# Altium PCB CanRotor_Mini(PCB).PcbDoc
Units mm, origin at the board's own origin, x right, y up, seen from the top; angles counter-clockwise.
Board outline 50 x 50.03 mm, 2 copper layers (Top Layer, Bottom Layer), stack 0.325 mm thick; 85 components, 55 nets, 323 pads, 228 vias.
Unrouted connection lines stored in the file: 2.
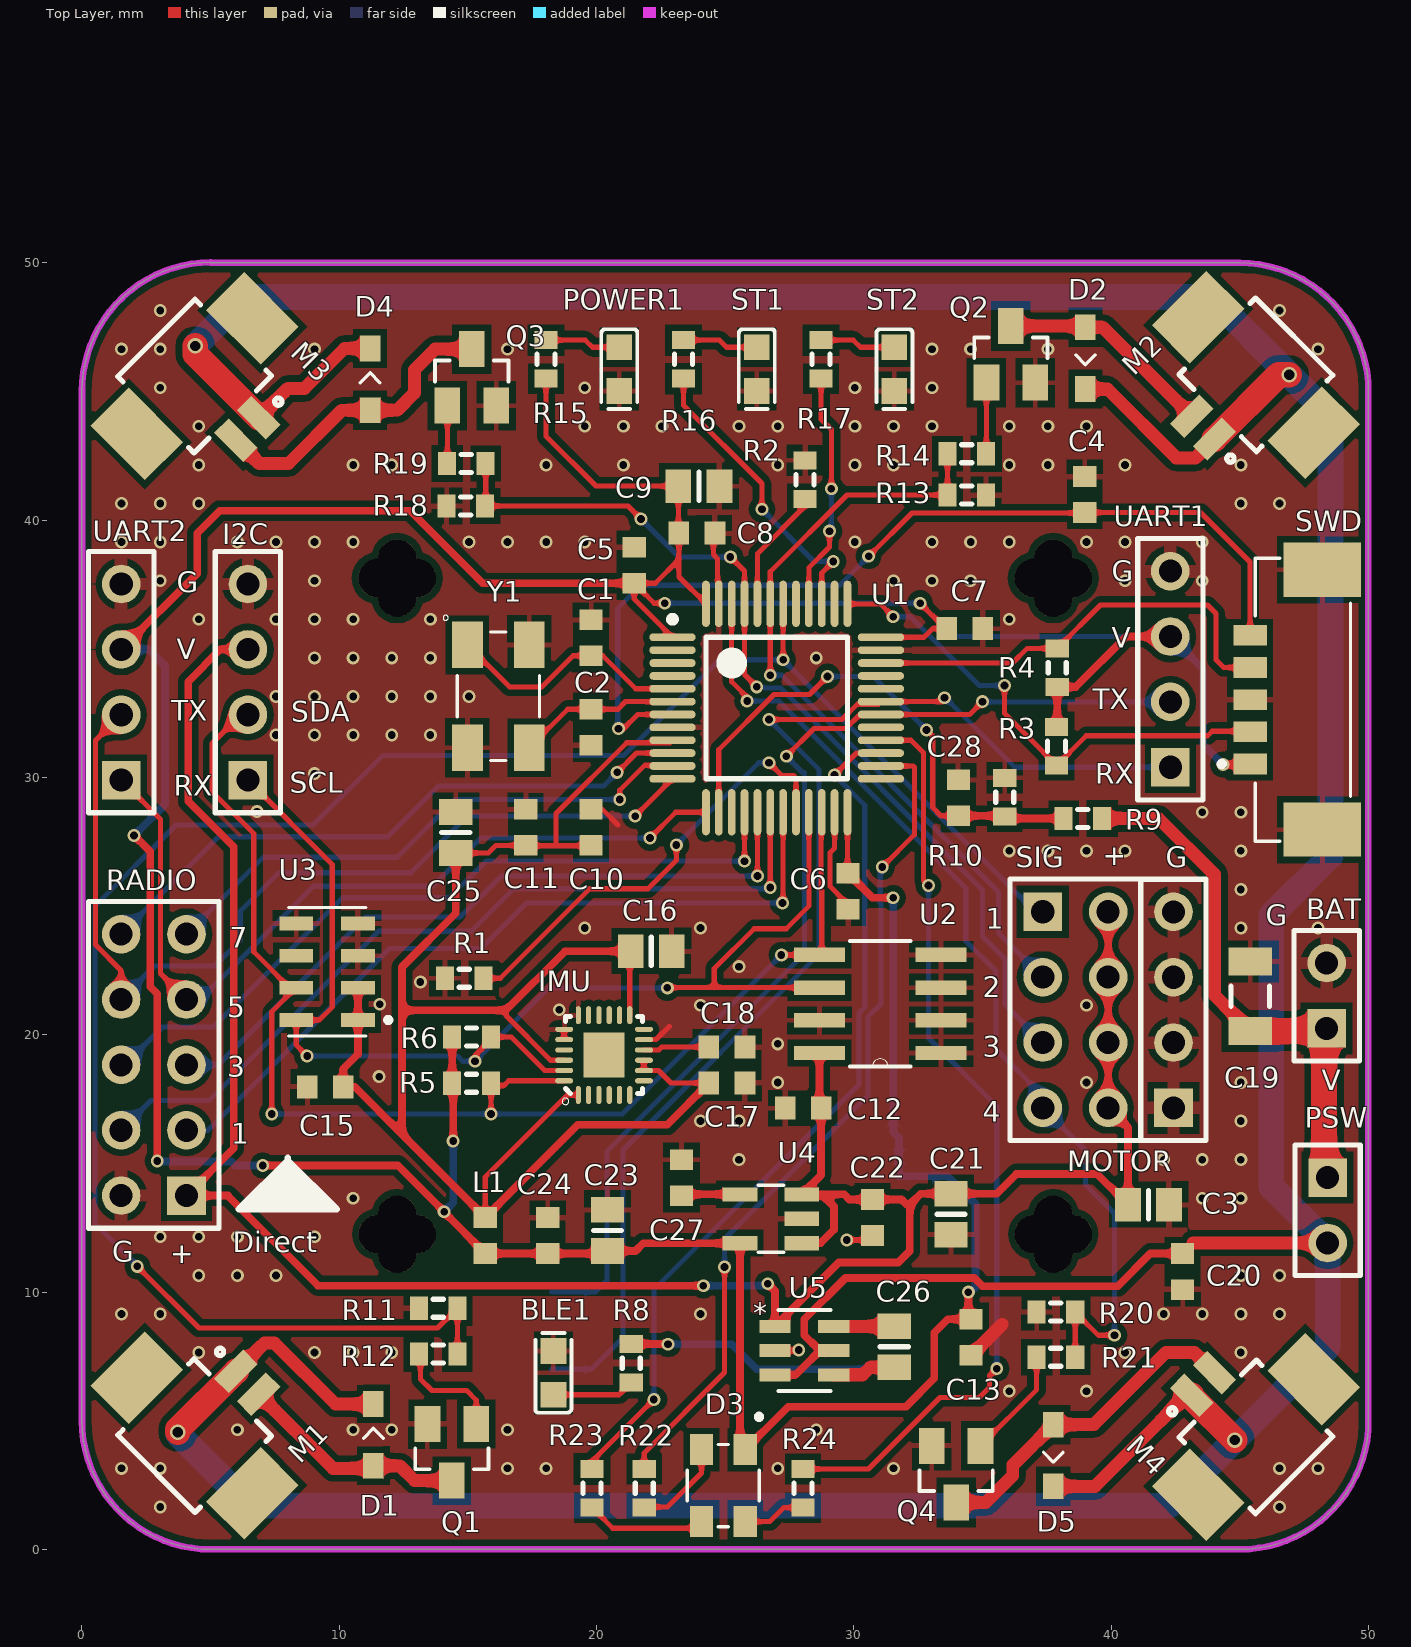
[diagram p0: Top Layer view]
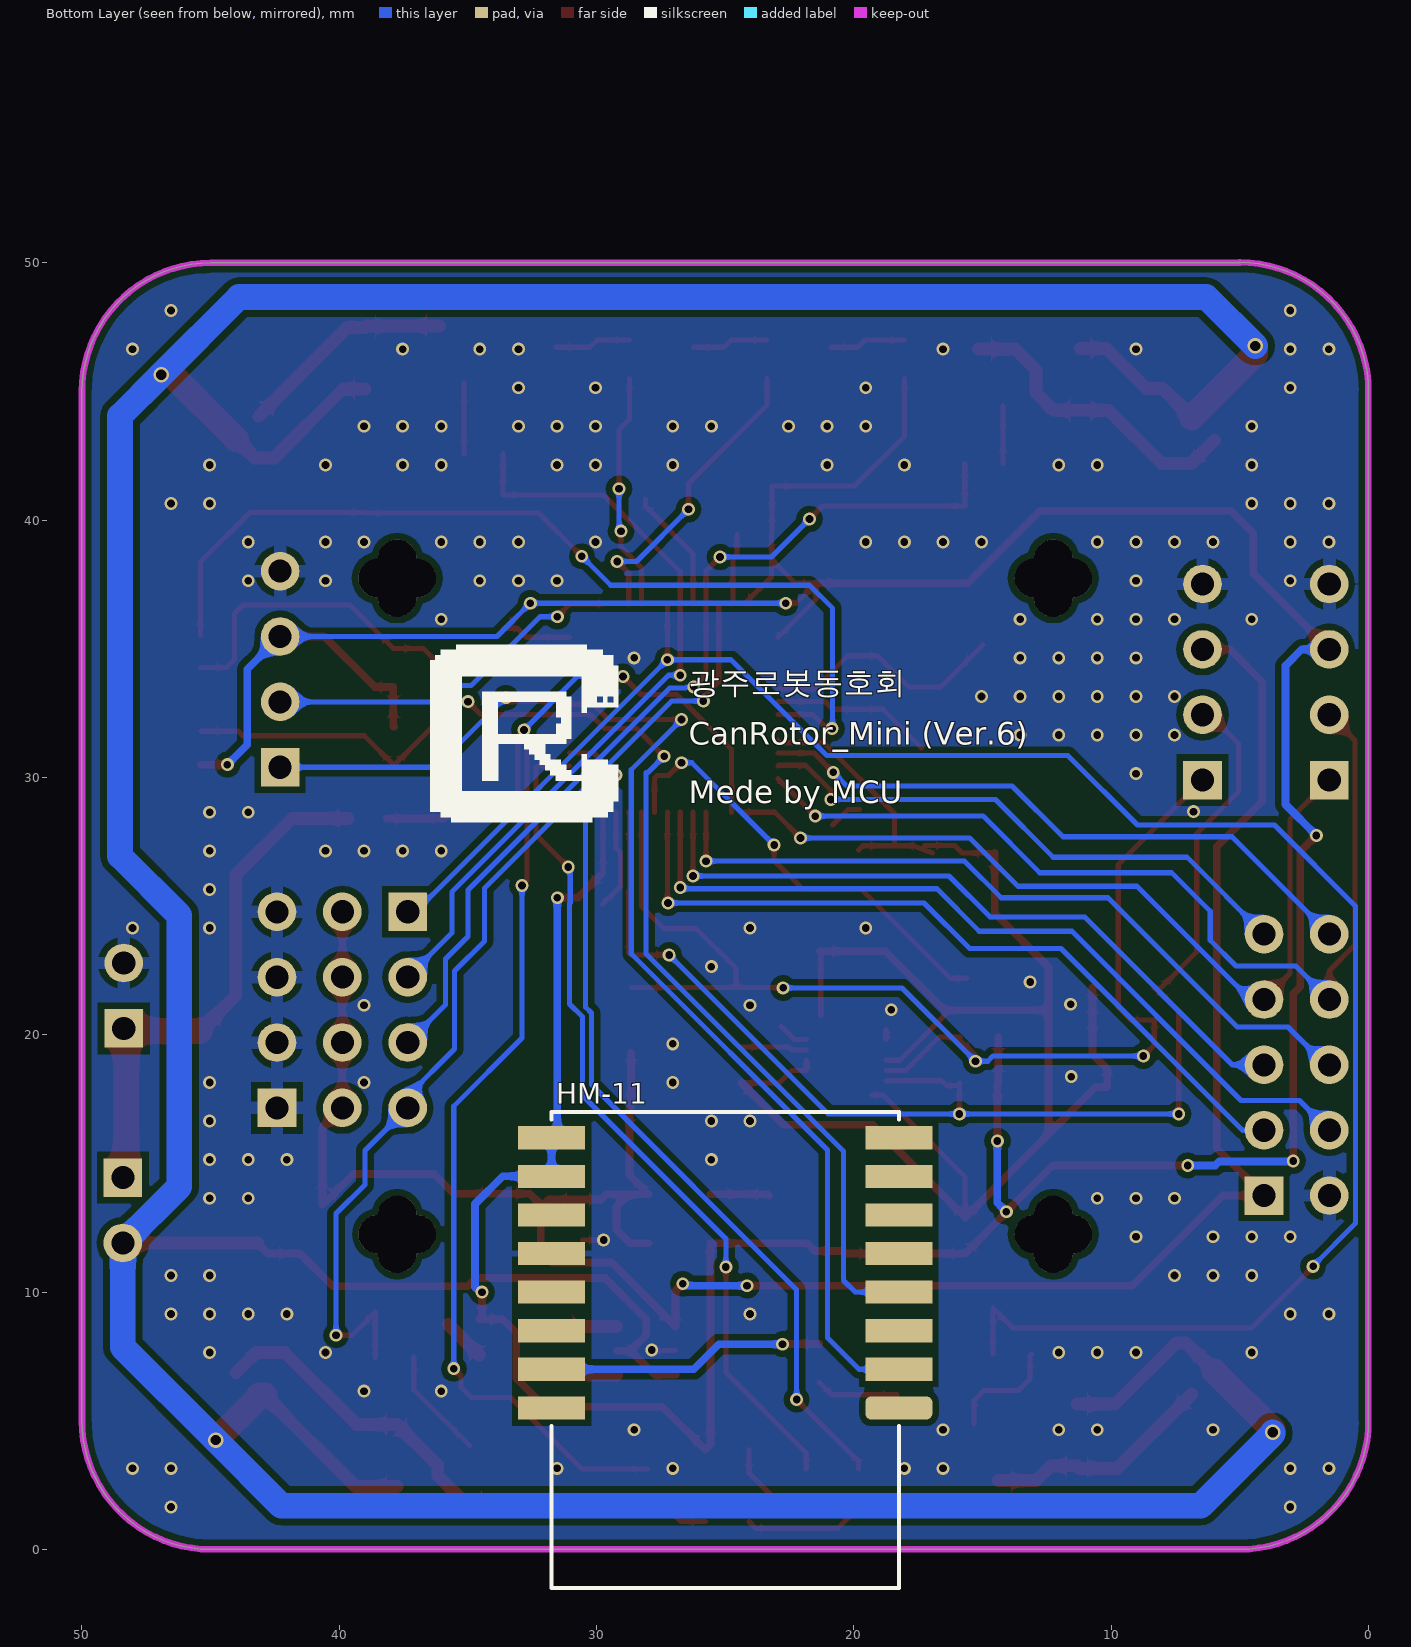
[diagram p1: Bottom Layer view, seen from below]

## Layer stack, top to bottom
Top Solder: solder mask 0.0102, Solder Resist, Dk 3.5
Top Layer: signal copper 0.0356
Dielectric 1: core 0.254, FR-4, Dk 4.2
Bottom Layer: signal copper 0.0356
Bottom Solder: solder mask 0.0102, Solder Resist, Dk 3.5

## Board outline
0,5 0,45 cw(c5.012,45.012) 5,50.025 5,50 45,50 cw(c45,45) 50,45 50,5 cw(c45,5) 45,0 5,0 cw(c5,5)
cut-out: 50,45

## Design rules (kind name [scope] priority, off if disabled: settings)
Clearance Polygon_Clearance [InPolygon] p1: gap=0.254 ignorepadtopadclearanceinfootprint=TRUE
Clearance [All] p2: gap=0.15 ignorepadtopadclearanceinfootprint=TRUE
FabricationTestpoint [(IsPad And (OnTopLayer Or OnBottomLayer)) Or (IsVia) Or (IsPad And OnMultiLayer)] p1: side=3 testpointundercomponent=TRUE minsize=1.016 maxsize=2.54 preferedsize=1.524 minholesize=0 maxholesize=1.016 preferedholesize=0.813 testpointgrid=0.025 allowsidetop=TRUE allowsidebottom=TRUE usegrid=TRUE gridtolerance=0
MinimumSolderMaskSliver [All] p1: minsoldermaskwidth=0.12
PlaneClearance [All] p1: clearance=0.2
PolygonConnect [All] p1: thpad.connectstyle=Relief thpad.reliefconductorwidth=0.5 thpad.reliefentries=4 thpad.polygonreliefangle="90 Angle" thpad.airgapwidth=0.254 smdpad.connectstyle=Relief smdpad.reliefconductorwidth=0.2 smdpad.reliefentries=4 smdpad.polygonreliefangle="90 Angle" smdpad.airgapwidth=0.254 via.connectstyle=Direct via.reliefconductorwidth=1 via.reliefentries=4 via.polygonreliefangle="90 Angle" via.airgapwidth=0.254
RoutingVias RoutingVias_VBAT [InNet('VBAT')] p1: holewidth=0.3 width=0.5 viastyle="Through Hole" minholewidth=0.3 minwidth=0.5 maxholewidth=0.3 maxwidth=0.5
RoutingVias [All] p2: holewidth=0.3 width=0.5 viastyle="Through Hole" minholewidth=0.2 minwidth=0.4 maxholewidth=0.3 maxwidth=0.5
SMDNeckDown [All] p1: percent=50.000
SilkToSilkClearance [All] p1: silktosilkclearance=0.1
SilkToSolderMaskClearance [IsPad] p1: minsilkscreentomaskgap=0.1 clearancetoexposedcopper=TRUE
SolderMaskExpansion [InComponent('No Component')] p1: expansion=0.102
Width Width_VBAT [InNet('VBAT')] p1: maxlimit=1 minlimit=0.5 preferedwidth=0.5
Width Width_GND [InNet('GND')] p2: maxlimit=0.5 minlimit=0.1 preferedwidth=0.3
Width Width_VCC33 [InNet('VCC33')] p3: maxlimit=0.5 minlimit=0.2 preferedwidth=0.3
Width [All] p4: maxlimit=2 minlimit=0.15 preferedwidth=0.2 minimp=50.000000 maximp=50.000000 favimp=50.000000
25 further rules are at their usual default settings.

## Classes and differential pairs
component class CanRotor_Mini(1): BLE1 C1 C2 C3 C4 C5 C6 C7 C8 C9 C10 C11 C12 C13 C15 C16 C17 C18 G HM-11 I2C IMU MOTOR R1 R2 R3 R4 R5 R6 R8 RADIO SWD U1 U2 U3 UART1 UART2 "UART2, RADIO" UART3 Y1
component class CanRotor_Mini(2): BAT C19 C20 C21 C22 C23 C24 C25 C26 C27 C28 D1 D2 D3 D4 D5 D6 D7 J2 J4 J5 L1 M1 M2 M3 M4 POWER1 PSW Q1 Q2 Q3 Q4 R9 R10 R11 R12 R13 R14 R15 R16 R17 R18 R19 R20 R21 R22 R23 R24 S1 ST1 ST2 U4 U5

## Components (designator, comment, footprint, x,y, rotation, side; value= is the part's Value field where it differs from the comment)
BAT "Header 2" HDR1X2 48.375,20.25 r90 top
BLE1 "LED2" LED0603 18.323,6.863 r270 top
C1 "Cap Semi" 1608[0603] 19.787,35.433 r270 top value=18pF
C2 "Cap Semi" 1608[0603] 19.787,31.953 r90 top value=18pF
C3 "Cap Semi" 6-0805_L 41.45,13.4 r0 top value=10uF
C4 "Cap Semi" 1608[0603] 38.975,41 r90 top value=0.1uF
C5 "Cap Semi" 1608[0603] 21.463,38.252 r270 top value=0.1uF
C6 "Cap Semi" 1608[0603] 29.775,25.575 r90 top value=0.1uF
C7 "Cap Semi" 1608[0603] 34.315,35.789 r180 top value=0.1uF
C8 "Cap Semi" 1608[0603] 23.901,39.497 r180 top value=0.1uF
C9 "Cap Semi" 6-0805_L 23.978,41.326 r0 top value=4.7uF
C10 "Cap Semi" 1608[0603] 19.787,28.064 r270 top value=10nF
C11 "Cap Semi" 1608[0603] 17.247,28.064 r270 top value=1uF
C12 "Cap Semi" 1608[0603] 28.025,17.15 r0 top value=0.1uF
C13 "Cap Semi" 1608[0603] 34.55,8.25 r90 top value=0.1uF
C15 "Cap Semi" 1608[0603] 9.45,17.975 r0 top value=0.1uF
C16 "Cap Semi" 6-0805_L 22.125,23.25 r180 top value=10uF
C17 "Cap Semi" 1608[0603] 25.067,18.128 r180 top value=10nF
C18 "Cap Semi" 1608[0603] 25.067,19.529 r180 top value=0.1uF
C19 "Cap Semi" C1206 45.4,21.5 r90 top value=10uF
C20 "Cap Semi" 1608[0603] 42.775,10.8 r270 top value=0.1uF
C21 "Cap Semi" 6-0805_L 33.775,13.025 r270 top value=4.7uF
C22 "Cap Semi" 1608[0603] 30.725,12.9 r270 top value=0.1uF
C23 "Cap Semi" 6-0805_L 20.425,12.4 r90 top value=4.7uF
C24 "Cap Semi" 1608[0603] 18.1,12.2 r90 top value=0.1uF
C25 "Cap Semi" 6-0805_L 14.529,27.864 r90 top value=4.7uF
C26 "Cap Semi" 6-0805_L 31.572,7.875 r270 top value=2.2uF
C27 "Cap Semi" 1608[0603] 23.3,14.45 r90 top value=22nF
C28 "Cap Semi" 1608[0603] 34.061,29.21 r90 top value=0.1uF
D1 "D Schottky" SOD-323 11.325,4.45 r90 top
D2 "D Schottky" SOD-323 39,46.297 r270 top
D3 "LL-R3528RGBC-008-B" LED_LL-R3528RGBC-008-B 24.925,2.48 r270 top
D4 "D Schottky" SOD-323 11.2,45.475 r90 top
D5 "D Schottky" SOD-323 37.75,3.65 r270 top
G "Header 4" HDR1X4 42.421,17.159 r90 top
HM-11 "HM-11" HM-11 18.25,5.5 r0 bottom
I2C "Header 4" HDR1X4 6.45,29.9 r90 top
IMU "MPU-9250" QFN40P300X300X105-25N 20.29,19.213 r90 top
L1 "Inductor" 1608[0603] 15.675,12.2 r90 top value=1uH
M1 "53261-0271" MOLEX_53261-0271 4.375,4.425 r315 top
M2 "53261-0271" MOLEX_53261-0271 45.625,45.65 r135 top
M3 "53261-0271" MOLEX_53261-0271 4.375,45.6 r225 top
M4 "53261-0271" MOLEX_53261-0271 45.625,4.375 r45 top
MOTOR "Header 4X2A" HDR2X4_CEN 37.341,24.782 r270 top
POWER1 "POWER" LED0603 20.881,45.872 r90 top
PSW "Header 2" HDR1X2 48.412,14.45 r270 top
Q1 "IRLML2502" SOT23 14.375,3.775 r180 top
Q2 "IRLML2502" SOT23 36.1,46.449 r0 top
Q3 "IRLML2502" SOT23 15.15,45.55 r0 top
Q4 "IRLML2502" SOT23 33.975,2.925 r180 top
R1 "Res3" J1-0603 14.859,22.2 r180 top value=10K
R2 "Res3" J1-0603 28.1,41.575 r90 top value=10K
R3 "Res3" J1-0603 37.876,31.223 r270 top value=10K
R4 "Res3" J1-0603 37.901,34.271 r90 top value=10K
R5 "Res3" J1-0603 15.138,18.119 r180 top value=2.2k
R6 "Res3" J1-0603 15.138,19.919 r180 top value=2.2k
R8 "Res3" J1-0603 21.348,7.238 r90 top value=330
R9 "Res3" J1-0603 38.9,28.408 r180 top value=10k
R10 "Res3" J1-0603 35.865,29.235 r90 top value=20k
R11 "Res3" J1-0603 13.84,9.372 r0 top value=10K
R12 "Res3" J1-0603 13.84,7.594 r180 top value=330
R13 "Res3" J1-0603 34.388,40.981 r180 top value=10K
R14 "Res3" J1-0603 34.388,42.582 r0 top value=330
R15 "Res3" J1-0603 18.034,46.249 r90 top value=330
R16 "Res3" J1-0603 23.38,46.249 r90 top value=330
R17 "Res3" J1-0603 28.725,46.249 r90 top value=330
R18 "Res3" J1-0603 14.921,40.553 r0 top value=10K
R19 "Res3" J1-0603 14.942,42.204 r180 top value=330
R20 "Res3" J1-0603 37.853,9.222 r0 top value=10K
R21 "Res3" J1-0603 37.853,7.47 r180 top value=330
R22 "Res3" J1-0603 21.85,2.375 r90 top value=330
R23 "Res3" J1-0603 19.825,2.375 r90 top value=330
R24 "Res3" J1-0603 28.025,2.375 r90 top value=330
RADIO "Header 5X2" HDR2X5 4.06,13.753 r90 top
ST1 "State0" LED0603 26.227,45.872 r90 top
ST2 "State1" LED0603 31.572,45.872 r90 top
SWD "0533980571" MOLEX_0533980571_0533980571(Primary) 46.05,33.025 r90 top
U1 "STM32F103CBT6" STM-LQFP48_N 27,32.7 r0 top
U2 "24LC256T-I/SN" SOIC127P600X175-8N 31.025,21.2 r180 top
U3 "MS561101BA03-50" SON125P500X300X100-8N 9.525,22.45 r180 top
U4 "RT9193-33GB" SOT-23-5 26.775,12.85 r180 top
U5 "LTC3200ES6-5PBF" SOT-23_S6 28.075,7.725 r0 top
UART1 "Header 4" HDR1X4 42.3,30.4 r90 top
UART2 "Header 4" HDR1X4 1.525,29.9 r90 top
Y1 "ABM3B-8.000MHZ-B2-T" OSCSC500X320X110-4N 16.181,33.158 r0 top

## Footprints (in the part's own frame and the unit in brackets; to place one, negate y for a bottom-side part, rotate by r counter-clockwise, add the part's x,y. Pads: shape width x height; smd on the part's side, far side on the other; paste and mask are expansions set on the pad)
6-0805_L [mm] "Chip Resistor, Body 2.0x1.2mm, IPC High Density"
  rect 1x1.3 smd: 1(-0.8,0) 2(0.8,0)
  silkscreen extent 0,-0.55 0,0.55, body extent -1.07,-0.7 1.07,0.7, height 0.7
1608[0603] [mm] "Chip Capacitor, Body 1.6x0.8mm, IPC High Density"
  rect 0.8x0.9 smd: 1(-0.7,0) 2(0.7,0)
  body extent -0.87,-0.48 0.87,0.48, height 1.3
C1206 [mm]
  rect 1.1x1.7 smd: 1(-1.35,0) 2(1.35,0)
  silkscreen extent -0.4,-0.75 0.4,0.75, body extent -1.73,-0.8 1.73,0.8, height 1.65
HDR1X2 [mm]
  rect 1.5x1.5 hole 0.9: 1(0,0)
  round 1.5 hole 0.9: 2(2.54,0)
  silkscreen extent -1.27,-1.27 3.81,1.27, body extent -1.27,-1.27 3.81,1.27, height 6.54
HDR1X4 [mm]
  rect 1.5x1.5 hole 0.9: 1(0,0)
  round 1.5 hole 0.9: 2(2.54,0) 3(5.08,0) 4(7.62,0)
  silkscreen extent -1.27,-1.27 8.89,1.27, body extent -1.27,-1.27 8.89,1.27, height 6.54
HDR2X4_CEN [mm]
  rect 1.5x1.5 hole 0.9: 1(0,0)
  round 1.5 hole 0.9: 2(2.54,0) 3(5.08,0) 4(7.62,0) 5(0,2.54) 6(2.54,2.54) 7(5.08,2.54) 8(7.62,2.54)
  silkscreen extent -1.27,-1.27 8.89,3.81, body extent -1.27,-1.27 8.89,3.81, height 6.54
HDR2X5 [mm]
  rect 1.5x1.5 hole 0.9: 1(0,0)
  round 1.5 hole 0.9: 2(0,2.54) 3(2.54,0) 4(2.54,2.54) 5(5.08,0) 6(5.08,2.54) 7(7.62,0) 8(7.62,2.54) 9(10.16,0) 10(10.16,2.54)
  silkscreen extent -1.27,-1.27 11.43,3.81, body extent -1.27,-1.27 11.43,3.81, height 6.54
HM-11 [mm]
  rrect50% 2.6x0.9 smd: 1(0,0)
  rect 2.6x0.9 smd: 2(0,-1.5) 3(0,-3) 4(0,-4.5) 5(0,-6) 6(0,-7.5) 7(0,-9) 8(0,-10.5) 9(13.5,-10.5) 10(13.5,-9) 11(13.5,-7.5) 12(13.5,-6) 13(13.5,-4.5) 14(13.5,-3) 15(13.5,-1.5) 16(13.5,0)
  silkscreen extent 0,-11.5 13.5,7
J1-0603 [mm] "Chip Resistor, Body 1.6x0.8mm, IPC High Density"
  rect 0.7x0.9 smd: 1(-0.75,0) 2(0.75,0)
  silkscreen extent -0.2,-0.35 0.2,0.35, body extent -0.85,-0.48 0.85,0.48, height 0.9
LED0603 [mm]
  rect 1x1 smd paste+0 mask+0: 1(0.85,0) 2(-0.85,0)
  silkscreen extent -1.55,-0.7 1.55,0.7, body extent -0.8,-0.4 0.8,0.4, height 0.25
LED_LL-R3528RGBC-008-B [mm]
  rect 1.2x0.9 smd: 1(-1.4,0.85) 2(-1.4,-0.85) 3(1.4,-0.85) 4(1.4,0.85)
  silkscreen extent -2.77,-1.4 1.6,1.49, body extent -1.75,-1.4 1.75,1.4, height 2.07
MOLEX_53261-0271 [mm]
  rect 0.8x1.6 smd: 1(-0.625,2.9) 2(0.625,2.9)
  rect 2.1x3 smd: P1(-3.175,0) P2(3.175,0)
  silkscreen extent -2.13,-2.1 2.13,3.14, body extent -3.82,-2.1 3.83,3.1, height 3.5
MOLEX_0533980571_0533980571(Primary) [mm]
  rect 0.8x1.3 smd: 1(-2.5,0.65) 2(-1.25,0.65) 3(0,0.65) 4(1.25,0.65) 5(2.5,0.65)
  rect 2.1x3 smd: 6(-5.05,-2.15) 7(5.05,-2.15)
  silkscreen extent -5.5,-3.25 5.5,1.85, body extent -5.7,-3.25 5.7,0.95, height 4.65
OSCSC500X320X110-4N [mm]
  rect 1.2x1.8 smd: 1(-1.2,2) 2(-1.2,-2) 3(1.2,-2) 4(1.2,2)
  silkscreen extent -2.15,-2.5 1.6,3.15, body extent -1.6,-2.6 1.6,2.6, height 0.43
QFN40P300X300X105-25N [mm]
  oval 0.7x0.2 smd: 1(-1.55,1) 2(-1.55,0.6) 3(-1.55,0.2) 4(-1.55,-0.2) 5(-1.55,-0.6) 6(-1.55,-1) 13(1.55,-1) 14(1.55,-0.6) 15(1.55,-0.2) 16(1.55,0.2) 17(1.55,0.6) 18(1.55,1)
  oval 0.2x0.7 smd: 7(-1,-1.55) 8(-0.6,-1.55) 9(-0.2,-1.55) 10(0.2,-1.55) 11(0.6,-1.55) 12(1,-1.55) 19(1,1.55) 20(0.6,1.55) 21(0.2,1.55) 22(-0.2,1.55) 23(-0.6,1.55) 24(-1,1.55)
  rect 1.75x1.6 smd: 25(0,0)
  silkscreen extent -1.93,-1.5 1.5,1.63, body extent -1.51,-1.51 1.51,1.51, height 1
SOD-323 [mm]
  rect 1x0.8 smd: 1(-1.2,0) 2(1.2,0)
  silkscreen extent -0.13,-0.38 0.25,0.38, body extent -1.3,-0.68 1.3,0.68, height 1.07
SOIC127P600X175-8N [mil]
  rect 78x22 smd: 1(-93,75) 2(-93,25) 3(-93,-25) 4(-93,-75) 5(93,-75) 6(93,-25) 7(93,25) 8(93,75)
  silkscreen extent -46,-96 46,96, body extent -118,-96 118,96, height 68
SON125P500X300X100-8N [mm]
  rect 1.31x0.53 smd: 1(-1.2,1.875) 2(-1.2,0.625) 3(-1.2,-0.625) 4(-1.2,-1.875) 5(1.2,-1.875) 6(1.2,-0.625) 7(1.2,0.625) 8(1.2,1.875)
  silkscreen extent -2.48,-2.5 1.5,2.5, body extent -1.5,-2.5 1.5,2.5, height 1.02
SOT23 [mm]
  rect 1x1.4 smd: 1(-0.95,-1.1) 2(0.95,-1.1) 3(0,1.1)
  silkscreen extent -1.42,-0.15 1.42,0.66, body extent -1.5,-1.25 1.5,1.25, height 1.06
SOT-23-5 [mm]
  rect 1.35x0.55 smd: 1(-1.2,0.95) 2(-1.2,0) 3(-1.2,-0.95) 4(1.2,-0.95) 5(1.2,0.95)
  silkscreen extent -0.5,-1.3 0.5,1.3, body extent -1.38,-1.5 1.12,1.5, height 1.06
SOT-23_S6 [mil]
  rect 48x20 smd: 1(-45,37) 2(-45,0) 3(-45,-37) 4(45,-37) 5(45,0) 6(45,37)
  silkscreen extent -40,-62 40,62, body extent -55,-57 55,57, height 56
STM-LQFP48_N [mm]
  oval 1.8x0.3 smd: 1(-4.05,2.75) 2(-4.05,2.25) 3(-4.05,1.75) 4(-4.05,1.25) 5(-4.05,0.75) 6(-4.05,0.25) 7(-4.05,-0.25) 8(-4.05,-0.75) 9(-4.05,-1.25) 10(-4.05,-1.75) 11(-4.05,-2.25) 12(-4.05,-2.75) 25(4.05,-2.75) 26(4.05,-2.25) 27(4.05,-1.75) 28(4.05,-1.25) 29(4.05,-0.75) 30(4.05,-0.25) 31(4.05,0.25) 32(4.05,0.75) 33(4.05,1.25) 34(4.05,1.75) 35(4.05,2.25) 36(4.05,2.75)
  oval 0.3x1.8 smd: 13(-2.75,-4.05) 14(-2.25,-4.05) 15(-1.75,-4.05) 16(-1.25,-4.05) 17(-0.75,-4.05) 18(-0.25,-4.05) 19(0.25,-4.05) 20(0.75,-4.05) 21(1.25,-4.05) 22(1.75,-4.05) 23(2.25,-4.05) 24(2.75,-4.05) 37(2.75,4.05) 38(2.25,4.05) 39(1.75,4.05) 40(1.25,4.05) 41(0.75,4.05) 42(0.25,4.05) 43(-0.25,4.05) 44(-0.75,4.05) 45(-1.25,4.05) 46(-1.75,4.05) 47(-2.25,4.05) 48(-2.75,4.05)
  silkscreen extent -4.17,-2.75 2.75,3.57, body extent -3.5,-3.5 3.5,3.5, height 1.6

## Part data
BAT PSW: "Header, 2-Pin", LatestRevisionDate=17-Jul-2002, LatestRevisionNote="Re-released for DXP Platform.", Publisher="Altium Limited"
BLE1: "Typical RED, GREEN, YELLOW, AMBER GaAs LED", LatestRevisionDate=17-Jul-2002, LatestRevisionNote="Re-released for DXP Platform.", PackageDescription="SM LED; 2 Flat Leads", PackageReference=3.2X1.6X1.1, PackageVersion=Feb-2002, Published=8-Jun-2000, Publisher="Altium Limited"
C1 C2 C3 C4 C5 C6 C7 C8 C9 C10 C11 C12 C13 C15 C16 C17 C18 C19 C20 C21 C22 C23 C24 C25 C26 C27 C28: "Capacitor (Semiconductor SIM Model)", LatestRevisionDate=29-May-2009, LatestRevisionNote="IPC-7351 Footprint Added.", PackageDescription="Chip Capacitor", PackageReference=C1206, Published=8-Jun-2000, Publisher="Altium Limited"
D1 D2 D4 D5: "Schottky Diode", Code_JEDEC=DO-214-AA, LatestRevisionDate=17-Jul-2002, LatestRevisionNote="Re-released for DXP Platform.", PackageDescription="DO-214-AA/SMB; 2 C-Bend Leads; Body 5.3 x 3.6 mm, inc. leads (LxW)", PackageReference=SMB, Published=8-Jun-2000, Publisher="Altium Limited"
D3: "LED; SMD; 3528, PLCC2; RGB; 3.5x2.8mm; 120°; Red lumin: 1", Package="PLCC-2 Lucky Light", Availability=Unavailable, MF="Lucky Light", MP=LL-R3528RGBC-008-B, Price=None, SnapEDA_Link=https://www.snapeda.com/parts/LL-R3528RGBC-008-B/Lucky%20Light/view-part/?ref=snap
G I2C UART1 UART2: "Header, 4-Pin", LatestRevisionDate=17-Jul-2002, LatestRevisionNote="Re-released for DXP Platform.", Publisher="Altium Limited"
IMU: "SMD Gyroscope/Accelerometer/Magnetometer Sensor%3B 9-AXIS", Package="QFN-24 InvenSense", Availability=Warning, MF=InvenSense, MP=MPU-9250, Price="6.07 USD"
M1 M2 M3 M4: "Conn Shrouded Header HDR 2 POS 1.25mm Solder RA SMD PicoBlade%E2%84%A2 Embossed T/R", Package=None, Availability=Good, MF=Molex, MP=53261-0271, Price="14.02 USD"
MOTOR: "Header, 4-Pin, Dual row", LatestRevisionDate=17-Jul-2002, LatestRevisionNote="Re-released for DXP Platform.", Publisher="Altium Limited"
POWER1 ST1 ST2: library part LED2, "Typical RED, GREEN, YELLOW, AMBER GaAs LED", LatestRevisionDate=17-Jul-2002, LatestRevisionNote="Re-released for DXP Platform.", PackageDescription="SM LED; 2 Flat Leads", PackageReference=3.2X1.6X1.1, PackageVersion=Feb-2002, Published=8-Jun-2000, Publisher="Altium Limited"
Q1 Q2 Q3 Q4: Package=None, Availability=Unavailable, MF="International Rectifier", MP=IRLML2502, Price="0.17 USD"
R1 R2 R3 R4 R5 R6 R8 R9 R10 R11 R12 R13 R14 R15 R16 R17 R18 R19 R20 R21 R22 R23 R24: "Resistor", LatestRevisionDate=29-May-2009, LatestRevisionNote="IPC-7351 Footprint Added.", PackageDescription="Chip Resistor", PackageReference=J1-0603, Published=8-Jun-2000, Publisher="Altium Limited"
RADIO: "Header, 5-Pin, Dual row", LatestRevisionDate=17-Jul-2002, LatestRevisionNote="Re-released for DXP Platform.", Publisher="Altium Limited"
SWD: "Conn Shrouded Header HDR 5 POS 1.25mm Solder ST SMD PicoBladeÃ¢â?Â¢ Embossed T/R", Package=None, Availability=Unavailable, MF="Molex, LLC", MP=0533980571, Price=None, SnapEDA_Link=https://www.snapeda.com/parts/0533980571/Molex%2C%20LLC/view-part/?ref=snap
U1: "ARM Cortex-M3 32-bit MCU, 128 KB Flash, 20 KB Internal RAM, 37 I/Os, 48-pin LQFP, -40 to 85 degC, Tray", I/Os (High Current)=37, Operating Frequency(F) (Processor speed) (MHz)=72, Supplier Part Number 1=497-6288-ND, Supply Voltage(Vcc) min (V)=2, A/D Converter="2x12-bit (10 Channel)", ComponentLink1Description="Manufacturer URL", ComponentLink1URL=http://www.st.com/web/en/home.html, ComponentLink2Description=Datasheet, ComponentLink2URL=http://www.st.com/st-web-ui/static/active/en/resource/technical/document/datasheet/CD00161566.pdf, ComponentLink3Description="Package Specification", ComponentLink3URL=http://www.st.com/st-web-ui/static/active/en/resource/technical/document/datasheet/DM00058181.pdf, Core="ARM Cortex-M3", DatasheetVersion="Rev. 16", FLASH Size (Prog) (kB)=128, Internal RAM Size (kB)=20, Mounting Technology="Surface Mount", PackageDescription="48-Pin Low Profile Quad Flat Package, 7 x 7 mm Body, 0.5 mm Pitch", PackageReference=LQFP48, PackageVersion="Rev. 6, 06/2013", Packing=Tray, PartNumber=STM32F103CBT6, Supplier 1=Digi-Key, Supplier 2=Farnell, Supplier 3=Newark, Supplier 4=Newark, Supplier 5=Mouser, Supplier Part Number 2=1606327, Supplier Part Number 3=11N8296, Supplier Part Number 4=57P1214, Supplier Part Number 5=511-STM32F103CBT6
U2: "EEPROM Serial-I2C 256K-bit 32K x 8 3.3V/5V 8-Pin SOIC N T/R", Package="SOIC-8 Microchip", Availability=Unavailable, MF=Microchip, MP=24LC256T-I/SN, Price=None, SnapEDA_Link=https://www.snapeda.com/parts/24LC256T-I/SN/Microchip/view-part/?ref=snap
U3: "Pressure Sensor 1.44V to 3.6V 0.01bar to 1.2bar Absolute 8-Pin QFN T/R", Package="SMD-8 Measurement Specialties", Availability=Unavailable, MF="TE Connectivity", MP=MS561101BA03-50, Price=None, SnapEDA_Link=https://www.snapeda.com/parts/MS561101BA03-50/TE%20Connectivity%20ALCOSWITCH%20Switches/view-part/?ref=snap, TE_purchase_URL=https://www.te.com/usa-en/product-MS561101BA03-50.html?te_bu=Cor&te_type=disp&te_campaign=seda_glo_cor-seda-global-disp-prtnr-fy19-seda-model-bom-cta_sma-317_1&elqCampaignId=32493
U5: "LTC3200 - Low Noise, Regulated Charge Pump DC/DC Converters", Package="SOT-23-6 Linear Technology", Availability=Unavailable, MF="Linear Technology", MP=LTC3200ES6-5#PBF, Price=None, SnapEDA_Link=https://www.snapeda.com/parts/LTC3200ES6-5%23PBF/Linear%20Technology/view-part/?ref=snap
Y1: "Crystal 8MHz %C2%B120ppm %28Tol%29 %C2%B150ppm %28Stability%29 18pF FUND 200Ohm 4-Pin CSMD T/R", Package="5.0 x 3.2mm Abracon", Availability=Good, MF=Abracon, MP=ABM3B-8.000MHZ-B2-T, Price="0.47 USD"
L1: Code_IEC=1005, Code_JEITA=0402, LatestRevisionDate=29-May-2009, LatestRevisionNote="IPC-7351 Footprint Added.", PackageDescription="Chip Inductor", PackageReference=0402-A, Published=8-Jun-2000, Publisher="Altium Limited"

## Free pads (board coordinates)
  oval 1.5x3 hole 1.5 slot 3 at 90 deg: 1(12.25,37.75) 3(37.75,37.75) 5(12.25,12.25) 7(37.75,12.25)
  oval 3x1.5 hole 1.5 slot 3 at 0 deg: 2(12.25,37.75) 4(37.75,37.75) 6(12.25,12.25) 8(37.75,12.25)

## Via types
v1: diameter 0.5, hole 0.3, Top Layer to Bottom Layer, tented both sides, 224 vias
v2: diameter 0.6, hole 0.4, Top Layer to Bottom Layer, tented both sides, 4 vias

## Nets (pads, with @x,y where several pads share a name; then routed paths per layer and width w, separated by ;. In a path a pad name is that pad's centre, name@x,y a point inside that pad or via, vN(x,y) a via of type N, cw(c..) or ccw(c..) an arc to the next point about the centre after c; other vN are vias at no path point)
BOOT0: R2.1 U1.44 | length 4.8
  Top Layer w0.2: U1.44 26.25,38.7 28.1,40.55 R2.1
BOOT1: R1.1 U1.20 | length 17.5
  Top Layer w0.2: R1.1 16.255,22.2 19.73,25.675 22,25.675 23.1,26.775 v1(23.1,27.375) ; v1(26.7,30.575) 27.2,30.075 27.65,30.075 27.75,29.975 U1.20
  Bottom Layer w0.2: v1(23.1,27.375) 26.3,30.575 v1(26.7,30.575)
GND: BAT.2 BLE1.2 C1.1 C2.1 C3.2 C4.2 C5.1 C6.1 C7.1 C8.1 C9.2 C10.1 C11.1 C12.1 C13.1 C15.1 C16.1 C17.1 C18.1 C19.2 C20.2 C21.2 C22.2 C23.2 C24.2 C25.2 C27.2 C28.2 G.1 G.2 G.3 G.4 HM-11.12 I2C.4 IMU.11 IMU.18 IMU.19 IMU.20 POWER1.2 Q1.2 Q2.2 Q3.2 Q4.2 R1.2 R2.2 R10.2 R11.1 R13.1 R18.1 R20.1 RADIO.2 ST1.2 ST2.2 SWD.3 SWD.6 SWD.7 U1.8 U1.23 U1.35 U1.47 U2.1 U2.2 U2.3 U2.4 U2.7 U3.3 U3.4 U3.5 U4.2 U5.2 UART1.4 UART2.4 Y1.2 Y1.4 | length 13
  Top Layer w0.2: IMU.20 IMU.19 ; C10.1 20.219,28.764 20.828,28.154 ; IMU.11 22.313,19.813 22.825,20.325 ; C8.1@24.539,39.435 24.539,38.666 24.7,38.505 24.7,36.8 U1.47 ; U5.2 v1@27.832,7.725 ; U1.23 29.25,27.253 29.075,27.078 29.075,25.771 C6.1@29.775,25.071 ; v1(29.725,12.025) C22.2@30.55,12.025
  Top Layer w0.5: C13.1 34.566,7.55 35.766,8.75
  other v1: 3.039,1.65 46.539,1.65 1.539,3.15 3.039,3.15 16.539,3.15 18.039,3.15 27.039,3.15 31.539,3.15 46.539,3.15 48.039,3.15 6.039,4.65 10.539,4.65 12.039,4.65 16.539,4.65 28.539,4.65 36.039,6.15 39.039,6.15 4.539,7.65 9.039,7.65 10.539,7.65 12.039,7.65 40.539,7.65 45.039,7.65 27.857,7.75 1.539,9.15 3.039,9.15 24.039,9.15 42.039,9.15 43.539,9.15 45.039,9.15 46.539,9.15 4.539,10.65 6.039,10.65 7.539,10.65 45.039,10.65 46.539,10.65 3.039,12.15 4.539,12.15 6.039,12.15 9.039,12.15 7.539,13.65 9.039,13.65 10.539,13.65 43.539,13.65 45.039,13.65 25.539,15.15 42.039,15.15 43.539,15.15 45.039,15.15 24.039,16.65 25.539,16.65 45.039,16.65 27.039,18.15 39.039,18.15 45.039,18.15 11.55,18.375 27.039,19.65 18.55,20.975 24.039,21.15 39.039,21.15 11.575,21.19 13.15,22.05 25.539,22.65 19.539,24.15 24.039,24.15 45.039,24.15 48.039,24.15 45.039,25.65 36.039,27.15 37.539,27.15 39.039,27.15 40.539,27.15 45.039,27.15 43.539,28.65 45.039,28.65 6.8,28.675 9.039,30.15 7.539,31.65 9.039,31.65 10.539,31.65 12.039,31.65 13.539,31.65 7.539,33.15 9.039,33.15 10.539,33.15 12.039,33.15 13.539,33.15 15.039,33.15 9.039,34.65 10.539,34.65 12.039,34.65 13.539,34.65 28.539,34.65 4.539,36.15 7.539,36.15 9.039,36.15 10.539,36.15 13.539,36.15 36.039,36.15 3.039,37.65 9.039,37.65 31.539,37.65 33.039,37.65 34.539,37.65 40.539,37.65 43.539,37.65 1.539,39.15 3.039,39.15 6.039,39.15 7.539,39.15 9.039,39.15 10.539,39.15 15.039,39.15 16.539,39.15 18.039,39.15 19.539,39.15 30.039,39.15 33.039,39.15 34.539,39.15 36.039,39.15 39.039,39.15 40.539,39.15 43.539,39.15 1.539,40.65 3.039,40.65 4.539,40.65 45.039,40.65 46.539,40.65 4.539,42.15 10.539,42.15 12.039,42.15 18.039,42.15 21.039,42.15 27.039,42.15 30.039,42.15 31.539,42.15 36.039,42.15 37.539,42.15 40.539,42.15 45.039,42.15 4.539,43.65 19.539,43.65 21.039,43.65 22.539,43.65 25.539,43.65 27.039,43.65 30.039,43.65 31.539,43.65 33.039,43.65 36.039,43.65 37.539,43.65 39.039,43.65 3.039,45.15 19.539,45.15 30.039,45.15 33.039,45.15 1.539,46.65 3.039,46.65 9.039,46.65 16.539,46.65 33.039,46.65 34.539,46.65 37.539,46.65 48.039,46.65 3.039,48.15 46.539,48.15
I2C2_SCL: I2C.1 IMU.23 R6.1 U1.21 U2.6 U3.8 | length 48.2
  Top Layer w0.2: I2C.1 9.725,26.625 9.725,21.075 9.225,20.575 U3.8 8.325,19.6 v1(8.75,19.175) ; v1(15.275,18.975) 15.275,19.199 15.888,19.812 R6.1 16.681,19.919 17.987,18.613 IMU.23 ; v1(22.75,21.825) 22.76,21.835 24.575,21.835 ; U1.21 28.25,25 27.375,24.125 26.125,24.125 24.575,22.575 24.575,21.835 ; U2.6 24.575,21.835
  Bottom Layer w0.2: v1(8.75,19.175) 14.6,19.175 14.8,18.975 v1(15.275,18.975) 18.125,21.825 v1(22.75,21.825)
I2C2_SDA: I2C.2 IMU.24 R5.1 U1.22 U2.5 U3.7 | length 52.2
  Top Layer w0.2: I2C.2 6.675,32.215 5.94,32.215 5.05,31.325 5.05,29.446 6.675,27.821 6.675,23.225 8.075,21.825 U3.7@8.301,21.825 ; v1(7.375,16.925) 7.375,20.899 U3.7@8.301,21.825 ; U3.7 U3.7@8.301,21.825 ; R5.1 R5.1@15.9,18.107 ; v1(15.9,16.925) R5.1@15.9,18.107 ; IMU.24 16.588,18.213 16.4,18.025 15.982,18.025 R5.1@15.9,18.107 ; v1(27.18,23.105) U2.5 28.75,23.192 28.75,25.602 28.725,25.626 28.725,28.625 U1.22
  Bottom Layer w0.2: v1(7.375,16.925) v1(15.9,16.925) 21,16.925 v1(27.18,23.105)
LED0: R16.1 U1.39 | length 11.8
  Top Layer w0.2: R16.1 23.38,44.47 26.425,41.425 v1(26.425,40.425) ; U1.39 28.75,37.95 v1(29.2,38.4)
  Bottom Layer w0.2: v1(26.425,40.425) 28.45,38.4 v1(29.2,38.4)
LED1: R17.1 U1.40 | length 9.3
  Top Layer w0.2: U1.40 28.25,38.157 29.05,38.957 v1(29.05,39.575) ; R17.1 28.725,43.925 29.125,43.525 v1(29.125,41.225)
  Bottom Layer w0.2: v1(29.05,39.575) 29.125,39.65 v1(29.125,41.225)
LED2: R22.2 U1.26 | length 33
  Top Layer w0.2: R22.2 21.85,3.75 24.975,6.875 v1(24.975,10.975) ; U1.26 32.3,30.45 32.35,30.4 32.35,27.775 v1(31.1,26.525)
  Bottom Layer w0.2: v1(24.975,10.975) 24.975,12.068 30.55,17.643 30.55,20.7 31.05,21.2 31.05,25.093 31.025,25.118 31.025,26.45 v1(31.1,26.525)
LED3: R23.2 U1.27 | length 34
  Top Layer w0.2: R23.2 19.825,3.425 v1(22.225,5.825) ; v1(29.25,30.1) 30.1,30.95 U1.27
  Bottom Layer w0.2: v1(22.225,5.825) 22.225,10.093 30.2,18.068 30.2,20.845 30.425,21.07 30.425,28.925 v1(29.25,30.1)
LED4: R24.2 U1.28 | length 36.4
  Top Layer w0.2: R24.2 30.571,3.125 33.346,5.9 34.875,5.9 35.275,6.3 35.275,6.75 v1(35.55,7.025) ; U1.28 32.225,31.45 32.7,30.975 32.7,26 v1(32.9,25.8)
  Bottom Layer w0.2: v1(32.9,25.8) 32.9,19.875 35.55,17.225 v1(35.55,7.025)
MOTOR1: MOTOR.1 R11.2 R12.1 U1.42 | length 77.3
  Top Layer w0.2: v1(2.15,11) 4.55,8.6 13.818,8.6 R11.2 R12.1 ; v1(27.25,34.575) U1.42
  Bottom Layer w0.2: v1(2.15,11) 2.15,11.025 0.5,12.675 0.5,25 3.65,28.15 8.975,28.15 11.675,30.85 21.05,30.85 24.775,34.575 v1(27.25,34.575) 37.043,24.782 MOTOR.1
MOTOR2: MOTOR.2 R13.2 R14.1 U1.43 | length 30.1
  Top Layer w0.2: v1(26.75,33.975) U1.43 26.75,38 29.731,40.981 R13.2 R14.1
  Bottom Layer w0.2: v1(26.75,33.975) 27.2,33.975 35.625,25.55 35.625,23.958 MOTOR.2
MOTOR3: MOTOR.3 R18.2 R19.1 U1.45 | length 36.4
  Top Layer w0.2: R19.1 15.692,40.575 R18.2 21.222,40.553 v1(21.725,40.05) ; v1(25.2,38.575) 25.75,38.025 U1.45 25.75,34 v1(26.225,33.525)
  Bottom Layer w0.2: v1(21.725,40.05) 23.2,38.575 v1(25.2,38.575) ; v1(26.225,33.525) 26.493,33.525 26.543,33.475 27.157,33.475 35,25.632 35,23.825 35.875,22.95 35.875,21.168 MOTOR.3
MOTOR4: MOTOR.4 R20.2 R21.1 U1.46 | length 39.2
  Top Layer w0.2: U1.46 25.25,33.725 25.998,32.977 v1(25.851,32.977) ; R21.1 R20.2 39.501,8.325 v1(40.125,8.325)
  Bottom Layer w0.2: v1(25.851,32.977) 27.08,32.977 34.35,25.707 34.35,23.65 35.525,22.475 35.525,19.45 37.341,17.634 MOTOR.4 39,15.503 39,14.175 40.125,13.05 v1(40.125,8.325)
NetBLE1_1: BLE1.1 R8.1 | length 3.2
  Top Layer w0.2: BLE1.1 20.873,6.013 R8.1
NetC18_2: C18.2 IMU.10 | length 2.6
  Top Layer w0.2: IMU.10 22.413,19.413 22.529,19.529 C18.2
NetC26_1: C26.1 U5.6 | length 2.4
  Top Layer w0.5: U5.6 31.562,8.665 C26.1
NetC26_2: C26.2 U5.4 | length 2.5
  Top Layer w0.5: U5.4 30.335,6.785 30.625,7.075 C26.2
NetC27_1: C27.1 U4.4 | length 2.3
  Top Layer w0.3: C27.1 23.35,13.8 U4.4
NetD1_1: D1.1 M1.2 Q1.3 | length 9
  Top Layer w0.5: M1.2 9.751,3.15 11.225,3.15 D1.1 12.35,3.25 12.925,2.675 Q1.3
NetD2_1: D2.1 M2.2 Q2.3 | length 8.5
  Top Layer w0.5: Q2.3 38.948,47.549 D2.1 39.677,47.497 M2.2
NetD3_2: D3.2 R22.1 | length 3.7
  Top Layer w0.2: R22.1 21.875,1.65 22.75,1.65 24.075,2.975 D3.2
NetD3_3: D3.3 R23.1 | length 4.7
  Top Layer w0.2: R23.1 20.625,0.825 23.82,0.825 D3.3
NetD3_4: D3.4 R24.1 | length 2.5
  Top Layer w0.2: D3.4 26.73,1.08 27.275,1.625 R24.1
NetD4_1: D4.1 M3.2 Q3.3 | length 11.9
  Top Layer w0.5: M3.2 6.891,42.2 8.025,42.2 10.1,44.275 D4.1 12.25,44.275 12.925,44.95 12.925,45.85 13.725,46.65 Q3.3
NetD5_1: D5.1 M4.2 Q4.3 | length 13
  Top Layer w0.5: Q4.3 35.125,1.825 36.175,2.875 36.175,3.275 D5.1 39.325,4.85 42.125,7.65 43.234,7.65 M4.2
NetHM-11_15: HM-11.15 R8.2 | length 10.8
  Top Layer w0.3: R8.2 22.762,7.988 v1(22.775,7.975)
  Bottom Layer w0.3: v1(22.775,7.975) 25.25,7.975 26.225,7 HM-11.15
NetPOWER1_1: POWER1.1 R15.2 | length 3
  Top Layer w0.2: R15.2 19.563,46.999 19.839,46.722 POWER1.1
NetQ1_1: Q1.1 R12.2 | length 4.4
  Top Layer w0.2: R12.2 13.15,7.534 13.15,6.625 13.6,6.175 14.95,6.175 15.325,5.8 Q1.1
NetQ2_1: Q2.1 R14.2 | length 2.8
  Top Layer w0.2: R14.2 35.15,42.594 Q2.1
NetQ3_1: Q3.1 R19.2 | length 2.2
  Top Layer w0.2: R19.2 14.2,42.212 Q3.1
NetQ4_1: Q4.1 R21.2 | length 4.3
  Top Layer w0.2: Q4.1 37.103,6.203 R21.2
NetR16_2: R16.2 ST1.1 | length 3
  Top Layer w0.2: R16.2 24.776,46.999 25.053,46.722 ST1.1
NetR17_2: R17.2 ST2.1 | length 3
  Top Layer w0.2: R17.2 29.976,46.999 30.253,46.722 ST2.1
NRST: C4.1 SWD.5 U1.7 | length 36.8
  Top Layer w0.2: v1(20.85,31.9) 21.05,31.9 21.6,32.45 U1.7 ; v1(30.575,38.6) 32.256,40.281 38.975,40.281 C4.1 43.475,40.3 45.4,38.375 SWD.5
  Bottom Layer w0.2: v1(20.85,31.9) 20.825,31.925 20.825,36.575 21.725,37.475 29.45,37.475 v1(30.575,38.6)
OSC_IN: C1.2 U1.5 Y1.1 | length 9.7
  Top Layer w0.2: Y1.1 16.614,33.525 17.875,33.525 19.083,34.733 C1.2 20.242,34.733 21.525,33.45 U1.5
OSC_OUT: C2.2 U1.6 Y1.3 | length 6.3
  Top Layer w0.2: Y1.3 18.877,32.653 C2.2 20.828,32.653 21.125,32.95 U1.6
POWER_ADC: C28.1 R9.2 R10.1 U1.14 | length 20.9
  Top Layer w0.2: U1.14 24.75,31.078 26.897,33.225 28.275,33.225 v1(28.975,33.925) ; v1(32.825,31.85) 33.064,31.611 33.064,28.836 33.39,28.51 C28.1
  Top Layer w0.3: C28.1 35.84,28.51 R10.1 35.942,28.408 R9.2
  Bottom Layer w0.2: v1(28.975,33.925) 30.75,33.925 v1(32.825,31.85)
RC(CH3)_UART2(TX): RADIO.8 U1.12 UART2.2 | length 37.5
  Top Layer w0.2: RADIO.8 1.52,22.498 0.52,23.498 0.52,24.332 0.525,24.336 0.525,31.44 UART2.2 ; v1(21.5,28.5) U1.12
  Bottom Layer w0.2: RADIO.8 2.823,22.675 5.15,22.675 6.15,23.675 6.15,24.8 7.65,26.3 12.775,26.3 14.975,28.5 v1(21.5,28.5)
RC(CH4)_UART2(RX): RADIO.7 U1.13 UART2.1 | length 32.8
  Top Layer w0.2: UART2.1 3.05,28.375 3.05,22.383 RADIO.7 ; v1(22.075,27.65) 23.075,28.65 U1.13
  Bottom Layer w0.2: RADIO.7 4.598,21.373 9,25.775 13.625,25.775 15.5,27.65 v1(22.075,27.65)
RC_CH1: RADIO.10 U1.10 | length 24.3
  Top Layer w0.2: v1(20.8,30.2) 21.55,30.95 U1.10
  Bottom Layer w0.2: RADIO.10 5.308,27.7 11.875,27.7 13.85,29.675 20.275,29.675 v1(20.8,30.2)
RC_CH2: RADIO.9 U1.11 | length 21.8
  Top Layer w0.2: v1(20.9,29.15) 20.9,29.504 21.875,30.479 22.921,30.479 U1.11
  Bottom Layer w0.2: RADIO.9 7.048,26.9 12.25,26.9 14.5,29.15 v1(20.9,29.15)
RC_CH5: RADIO.6 U1.16 | length 29.4
  Top Layer w0.2: v1(25.75,26.75) U1.16
  Bottom Layer w0.2: RADIO.6 1.658,18.833 3.125,20.3 5.1,20.3 10.125,25.325 14.275,25.325 15.7,26.75 v1(25.75,26.75)
RC_CH6: RADIO.5 U1.17 | length 27.7
  Top Layer w0.2: v1(26.25,26.175) U1.17
  Bottom Layer w0.2: RADIO.5 5.283,18.833 11.025,24.575 14.7,24.575 16.3,26.175 v1(26.25,26.175)
RC_CH7: RADIO.4 U1.18 | length 32.1
  Top Layer w0.2: v1(26.75,25.725) U1.18
  Bottom Layer w0.2: RADIO.4 2.678,17.45 4.95,17.45 11.525,24.025 15.125,24.025 16.775,25.675 26.7,25.675 v1(26.75,25.725)
RC_CH8: RADIO.3 U1.19 | length 30.4
  Top Layer w0.2: v1(27.225,25.125) 27.25,25.15 U1.19 U1.19@27.225,28.625
  Bottom Layer w0.2: RADIO.3 4.893,16.293 11.95,23.35 15.5,23.35 17.275,25.125 v1(27.225,25.125)
SWCLK: R3.2 SWD.2 U1.37 | length 19.4
  Top Layer w0.2: U1.37 31.025,36.75 v1(31.525,36.25) ; v1(35.85,33.575) 35.85,32.499 R3.2 39.028,31.625 43.75,31.625 43.925,31.8 SWD.2@45.375,31.8
  Bottom Layer w0.2: v1(31.525,36.25) 32.2,36.25 34.875,33.575 v1(35.85,33.575)
SWDIO: R4.2 SWD.4 U1.34 | length 17.3
  Top Layer w0.2: U1.34 36.17,34.45 36.741,35.021 R4.2 39.58,36.7 43.746,36.7 44.075,36.371 44.075,34.575 44.375,34.275 SWD.4
UART1_RX: HM-11.2 U1.31 UART1.1 | length 48.3
  Top Layer w0.2: v1(26.701,32.252) 29.536,32.252 30.134,32.85 30.95,32.85 U1.31 33.375,32.95 v1(33.525,33.1)
  Bottom Layer w0.2: HM-11.2 19.8,7 21.025,8.225 21.025,15.525 28.65,23.15 28.65,30.3 26.701,32.249 v1(26.701,32.252) ; v1(33.525,33.1) 33.55,33.1 36.25,30.4 UART1.1
UART1_TX: HM-11.4 U1.30 UART1.2 | length 42
  Top Layer w0.2: v1(27.375,30.825) 28.452,31.902 29.686,31.902 30.234,32.45 U1.30 34.5,32.45 v1(35,32.95)
  Bottom Layer w0.2: HM-11.4 19.95,10 20.4,10.45 20.4,15.475 28.075,23.15 28.075,30.193 28.007,30.193 v1(27.375,30.825) ; v1(35,32.95) 35.01,32.94 UART1.2
VBAT: BAT.1 C19.1 PSW.1 R9.1 | length 20.4
  Top Layer w0.5: R9.1 41.842,28.408 44.025,26.225 44.025,21.525 C19.1
  Top Layer w1: C19.1 48.275,20.15 PSW.1@48.275,14.587
VBAT_OUT: C20.1 D1.2 D2.2 D4.2 D5.2 M1.1 M2.1 M3.1 M4.1 PSW.2 U5.3 U5.5 | length 198.3
  Top Layer w0.3: U5.3 27.735,6.785 U5.5@28.675,7.725 ; U5.5 U5.5@28.675,7.725 ; 43.185,11.91 C20.1 41.525,11.5 40.25,10.225 35.003,10.225 34.678,10.55 29.675,10.55 28.075,8.95 28.075,8.325 U5.5@28.675,7.725
  Top Layer w0.5: M1.1 7.091,8.025 7.475,8.025 9.85,5.65 D1.2 ; M3.1 8.001,45.125 8.65,45.125 10.2,46.675 D4.2 ; D5.2 39.375,2.45 M4.1@42.909,5.984 ; D2.2 39.853,45.097 42.525,42.425 43.284,42.425 M2.1 ; 43.185,11.91 PSW.2
  Top Layer w1: v2(3.725,4.55) 3.725,4.659 M1.1 ; v2(4.4,46.775) 4.4,46.459 M3.1 ; M4.1@42.909,5.984 M4.1 43.132,5.918 v2(44.8,4.25) ; M2.1 46.509,45.65 v2(46.925,45.65)
  Bottom Layer w1: v2(3.725,4.55) 3.725,4.5 6.525,1.7 42.25,1.7 v2(44.8,4.25) 48.412,7.862 PSW.2 46.225,14.097 46.225,24.65 48.525,26.95 48.525,44.05 v2(46.925,45.65) 43.9,48.675 6.3,48.675 v2(4.4,46.775)
VCC33: C5.2 C6.2 C7.2 C8.2 C9.1 C13.2 C23.1 C24.1 D3.1 HM-11.9 HM-11.10 L1.1 R3.1 R4.1 R5.2 R6.2 R15.1 SWD.1 U1.1 U1.24 U1.36 U1.48 U4.5 UART1.3 UART2.3 | length 178.6
  Top Layer w0.2: R15.1 18.034,43.266 19.974,41.326 C9.1 23.178,39.521 C8.2 23.201,38.476 ; v1(22.65,36.775) 22.24,36.775 C5.2 ; U1.1 21.463,36.937 C5.2 ; U1.48 23.201,37.799 23.201,38.476 ; U1.24 29.75,26.3 C6.2 ; U1.36 32.725,35.45 33.064,35.789 C7.2@33.561,35.789 ; v1(32.575,36.775) C7.2@33.561,35.789 ; C7.2 C7.2@33.561,35.789 ; C5.2 22.277,37.552 23.201,38.476
  Top Layer w0.3: UART2.3 4.475,37.93 4.475,39.497 5.35,40.372 12.753,40.372 15.573,37.552 C5.2 ; v1(2.025,27.75) 2.65,27.125 2.65,21.866 2.925,21.591 v1(2.925,15.1) ; v1(7.025,14.925) 12.275,14.925 v1(14.075,13.125) 14.075,13.1 L1.1 C24.1 20.325,11.5 C23.1 21.513,11.6 21.813,11.9 U4.5 25.575,4.081 D3.1 27.445,5.55 32.025,5.55 33.125,6.65 33.125,8.425 33.65,8.95 C13.2 34.45,9.05 v1(34.45,10) ; R6.2 R5.2 14.425,18.082 v1(14.425,15.875) ; C6.2 30.725,25.325 v1(31.525,25.325) ; R3.1 37.901,31.998 R4.1 38.621,33.521 40.58,35.48 UART1.3 ; v1(44.35,30.5) SWD.1@45.375,30.5
  Bottom Layer w0.2: v1(22.65,36.775) v1(32.575,36.775) 33.87,35.48 UART1.3
  Bottom Layer w0.3: UART2.3 2.595,34.98 3.225,34.35 3.225,28.95 v1(2.025,27.75) ; v1(2.925,15.1) 2.95,15.075 5.8,15.075 5.95,14.925 v1(7.025,14.925) ; v1(14.075,13.125) 14.425,13.475 v1(14.425,15.875) ; v1(31.525,25.325) 31.525,16.225 HM-11.9 HM-11.10 33.65,14.5 34.725,13.425 34.725,10.2 34.525,10 v1(34.45,10) ; UART1.3 43.575,34.205 43.575,31.275 v1(44.35,30.5)
VCC33_A: C10.2 C11.2 C15.2 C16.2 C17.2 C25.1 IMU.1 IMU.8 IMU.9 IMU.13 IMU.22 L1.2 U1.9 U3.1 U3.2 | length 72.3
  Top Layer w0.2: C25.1 15.789,27.064 16.089,27.364 C11.2 ; L1.2 15.675,14.475 18.863,17.663 IMU.1 ; 16.475,20.95 16.475,20.746 18.208,19.013 IMU.22 ; C11.2@16.947,27.064 17.308,27.203 17.691,27.35 19.65,27.35 C10.2@19.812,27.189 ; 18.425,27.375 18.425,28.606 21.169,31.35 22.85,31.35 U1.9 ; IMU.13 21.29,23.215 C16.2 ; IMU.9 IMU.8 22.412,18.613 22.897,18.128 C17.2
  Top Layer w0.3: U3.2 U3.1 10.725,19.25 10.15,18.675 C15.2 10.6,17.975 12.437,16.137 ; C25.1 14.529,24.729 12.437,22.637 12.437,20.95 ; C16.2 18.775,23.25 16.475,20.95 12.437,20.95 ; C17.2 22.739,16.5 19.275,16.5 L1.2 12.437,16.137 ; 12.437,16.137 12.437,20.95
VCC_5: C3.1 C12.2 C21.1 C22.1 I2C.3 MOTOR.5 MOTOR.6 MOTOR.7 MOTOR.8 RADIO.1 U2.8 U4.1 U4.3 U5.1 | length 92.8
  Top Layer w0.3: I2C.3 5.38,34.98 4.125,33.725 4.125,29.085 5.9,27.31 5.9,15.592 RADIO.1 5.672,13.753 9.175,10.25 v1(24.15,10.25) ; v1(26.65,10.325) 26.932,10.043 U5.1 29.417,11.15 31.725,11.15 32.175,11.6 32.175,13.4 ; U4.1 28.7,11.9 29.225,12.425 29.225,13.325 28.75,13.8 ; U2.8 28.663,17.212 C12.2 28.725,14.55 U4.3 28.75,13.8 ; MOTOR.5 MOTOR.6 MOTOR.7 MOTOR.8 40.65,16.393 C3.1 39.463,14.587 36.312,14.587 35.55,13.825 C21.1 32.6,13.825 32.175,13.4 ; 28.75,13.8 29.625,13.8 29.825,13.6 C22.1 31.85,13.6 32.05,13.4 32.175,13.4
  Bottom Layer w0.3: v1(24.15,10.25) 26.575,10.25 v1(26.65,10.325)
pads on no net: HM-11.1 HM-11.3 HM-11.5 HM-11.6 HM-11.7 HM-11.8 HM-11.11 HM-11.13 HM-11.14 HM-11.16 IMU.2 IMU.3 IMU.4 IMU.5 IMU.6 IMU.7 IMU.12 IMU.14 IMU.15 IMU.16 IMU.17 IMU.21 IMU.25 M1.P1 M1.P2 M2.P1 M2.P2 M3.P1 M3.P2 M4.P1 M4.P2 U1.2 U1.3 U1.4 U1.15 U1.25 U1.29 U1.32 U1.33 U1.38 U1.41 U3.6

## Polygon pours and split planes (outlines as drawn)
GND on Bottom Layer "Bottom Layer-GND" (solid, remove dead copper, pour order 1): 0,0 0,50 50,50 50,0
GND on Top Layer "Top Layer-GND" (solid, remove dead copper, pour order 0): 0,0 0,50 50,50 50,0

## Keep-outs
Keep-Out Layer:
  lines w0.254: 5,50 45,50 cw(c45,45) 50,45 50,5 cw(c45,5) 45,0 5,0 cw(c5,5) 0,5 0,45 cw(c5.012,45.012) 5,50.025

## Silkscreen, mask and mechanical layers (free items; w line width, h text height)
Top Overlay:
  region: -26.75,24.8
  region: 8.001,15.128 6.101,13.228 9.901,13.228
  lines w0.254: 8.001,15.228 8.001,15.128 ; 8.001,15.128 9.901,13.228 9.401,13.228 6.101,13.228 8.001,15.128
  text "G" at 40.025,37.625 h0.8
  text "G" at 3.675,37.2 h0.8
  text "V" at 40.025,35.05 h0.8
  text "V" at 3.675,34.6 h0.8
  text "TX" at 39.275,32.65 h0.8
  text "TX" at 3.475,32.2 h0.8
  text "SDA" at 8.125,32.175 h0.8
  text "RX" at 39.375,29.75 h0.8
  text "SCL" at 8.075,29.4 h0.8
  text "RX" at 3.575,29.3 h0.8
  text "G" at 46,24.25 h0.8
  text "1" at 35.132,24.121 h0.8
  text "7" at 5.75,23.375 h0.8
  text "2" at 35.005,21.454 h0.8
  text "5" at 5.65,20.675 h0.8
  text "3" at 35.005,19.143 h0.8
  text "3" at 5.65,18.375 h0.8
  text "V" at 48.175,17.848 h0.8
  text "4" at 35.005,16.628 h0.8
  text "1" at 5.8,15.775 h0.8
  text "Direct" at 5.867,11.557 h0.8
Bottom Overlay:
  region: 181 vertices and 3 holes, not listed, extent 29.154,28.256 36.469,35.165
  text "광주로봇동호회" at 26.425,32.975 h1.5
  text "CanRotor_Mini (Ver.6)" at 26.425,30.975 h1.5
  text "Mede by MCU" at 26.426,28.7 h1.5
Mechanical 1:
  lines w0.254: 44.825,50 45,50

## Dimensions
0,50 to 50,50 on Mechanical 1
0,50 to 0,0 on Mechanical 1

## Text inside footprints (layer, text, board x,y; h text height)
MOTOR: Top Overlay "+" at 39.678,26.585 h0.8; Top Overlay "SIG" at 36.3,26.52 h0.8
RADIO: Top Overlay "G" at 1.175,11.175 h0.8; Top Overlay "+" at 3.552,11.924 h0.8 r270
U5: Top Overlay "*" at 26.094,8.796 h0.8; Mechanical 4 "*" at 27.008,7.577 h0.8; Mechanical 4 "*" at 27.008,7.577 h0.8